# KiCad board Lime_RFE.kicad_pcb (continued)
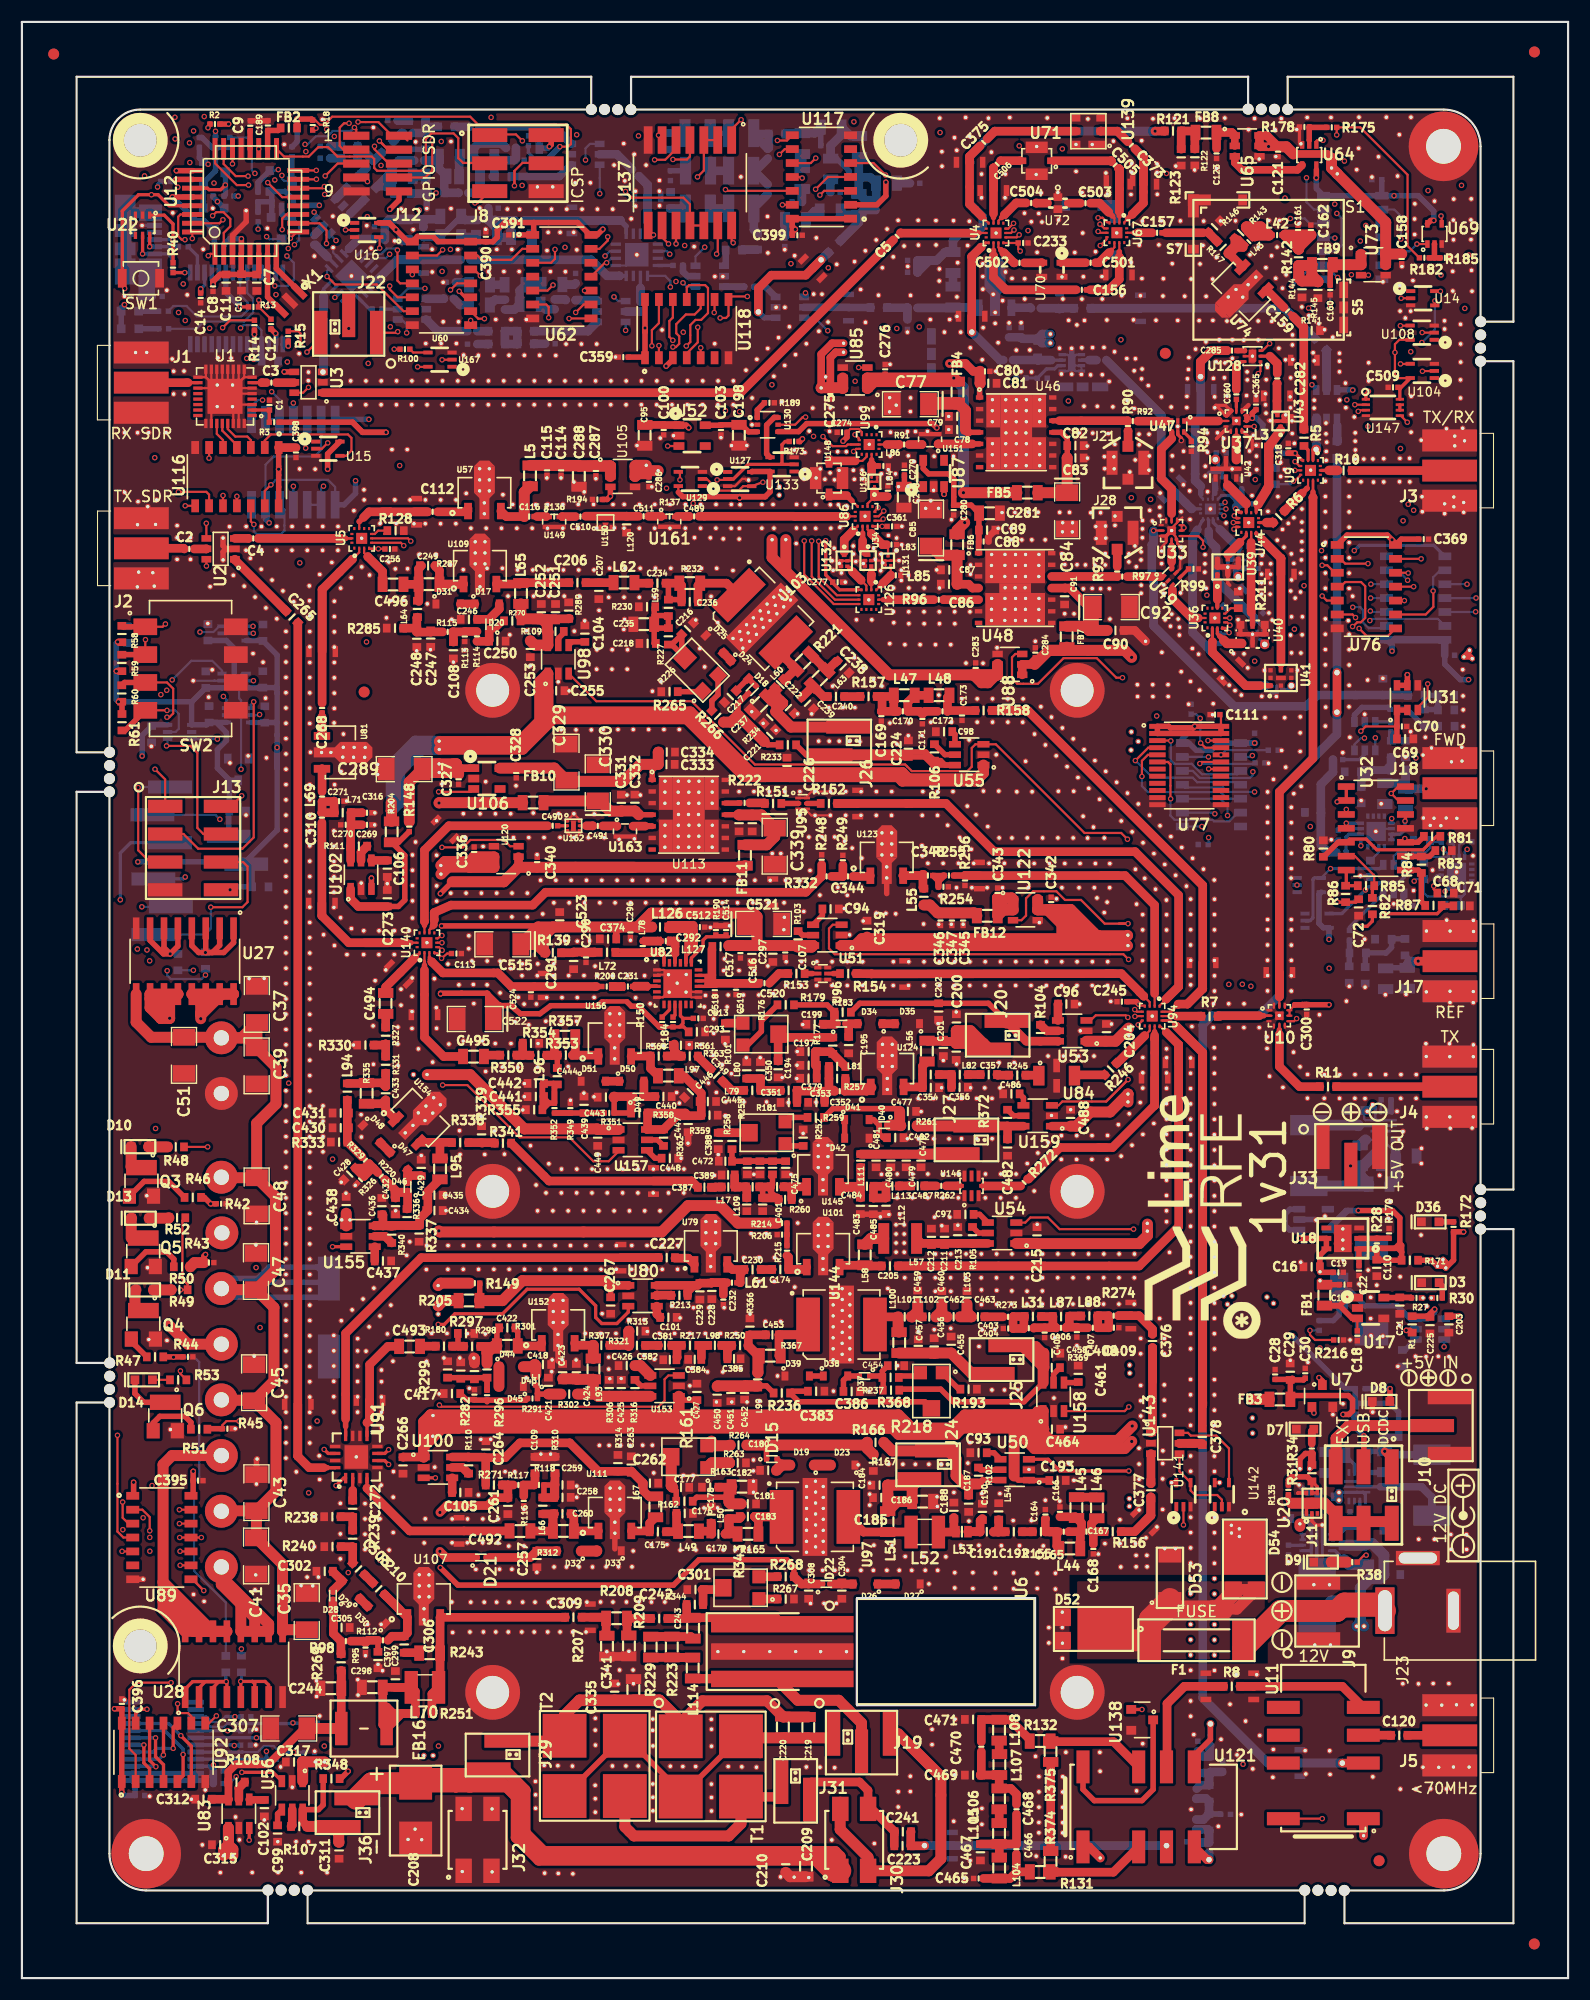
[diagram p0: board, top side]
## Routing (per net, layer and track width the routed paths; a pad name or vN(x,y) marks a point on that pad's centre or on a via; arc(x,y) is an arc through that point) (continued)
Net-(C454-Pad1): length 3.7
  T w0.5: C454.1 78.52,55.39 R237.2 ; D37.1 78.6,54.94 78.6,53.74
Net-(C455-Pad2): length 10.6
  T w0.79: C456.2 83.05,57.09 C457.2
  T w1: 83,57.09 82.94,57.04 L100.1 ; J25.1 86.67,55.17 C455.2 83.25,57.04
Net-(C458-Pad1): length 28.5
  T w0.5: U158.6 91.45,52.59 85,52.59 83.85,53.74 80.05,53.74
  T w0.79: J25.2 92.57,57.71 C458.1 ; R369.1 93.26,55.73
  T w1: 93.2,55.79 91.28,57.71 J25.2 91.7,57.71 93.23,56.18 R369.1 93.26,55.73 C458.1 ; 93.2,55.79 93.15,55.84 ; 93.2,55.79 U158.6
Net-(C459-Pad2): length 2.5
  T w0.79: L101.1 L102.2
  T w1: L101.1 81.24,60.34 81.75,60.84 C459.2
Net-(C460-Pad1): length 2.4
  T w0.79: C462.2 83.41,60.35 L102.1
  T w1: 84.42,60.34 C462.2 ; L102.1 83.95,60.89 C460.1
Net-(C461-Pad1): length 1.3
  T w0.5: C461.1 96.35,54.34 U158.4
Net-(C462-Pad1): length 3.3
  T w0.79: C462.1 C463.2
  T w1: L103.1 86.25,60.74 C463.2 C462.1
Net-(C465-Pad1): length 6.1
  T w0.79: 90.77,9.69 90.17,9.09 L104.2 89.19,9.09 C465.1 ; 90.77,9.69 R131.1 ; 90.77,9.69 90.75,9.71 C466.2
Net-(C466-Pad1): length 7.3
  T w0.79: L105.2 89.19,12.23 L104.1 ; L105.2 89.17,12.23 C467.1 ; L105.2 90.72,12.24 C466.1 90.76,12.22 C468.2
Net-(C468-Pad1): length 8
  T w0.79: C468.1 90.76,16.78 90.24,17.31 L106.1 89.18,18.5 L107.2 87.45,18.53 87.46,18.52 C469.1 C470.2
Net-(C470-Pad1): length 7.3
  T w0.79: R132.2 91.97,21.78 90.17,23.58 L108.1 89.16,23.59 87.62,23.59 ; C470.1 C471.1
Net-(C472-Pad1): length 8.6
  T w0.5: L110.1 C475.1 ; L110.1 C474.1 C473.1 C472.1 R258.2 ; L110.1 65.9,74.54
Net-(C476-Pad1): length 3.7
  T w0.5: 70.25,71.74 69.78,72.21 C476.1
  T w0.79: U145.1 71.6,72.21 C476.1 69.53,72.23 ; R260.1 70.25,71.74
Net-(C477-Pad1): length 9.7
  T w0.5: C477.1 79.85,79.34 74,79.34 R259.1
  T w1: D40.1 80.15,77.84 R261.1 80.1,77.89 C477.1
Net-(C478-Pad2): length 14.4
  T w0.79: L111.1 C478.2 C479.2 C480.2 C481.2 L111.1
  T w1: J27.1 85.37,75.19 C478.2
Net-(C482-Pad1): length 10.9
  T w0.79: R372.1 89.93,77.76 J27.2 ; R372.1 U159.6 ; R372.1 C482.1
  T w1: R261.2 81.73,77.76 J27.2
Net-(C483-Pad1): length 8.4
  T w0.1: C484.2 76.47,72.21 U145.3
  T w0.79: U145.3 74.65,72.26 C484.2 ; C484.2 76.55,72.29 L111.2 ; C484.2 76.53,72.24 76.53,71.2 ; 76.37,72.12 74.64,72.12 74.6,72.08
Net-(C484-Pad1): length 4.4
  T w0.79: 78.81,72.26 L113.2 78.85,72.27 78.85,71.22 78.81,71.19 77.71,71.19 77.71,71.19 C484.1 78.81,72.26
Net-(C486-Pad1): length 1.2
  T w0.5: C486.1 91.4,80.34 U159.4
Net-(C487-Pad2): length 1.1
  T w0.79: L113.1 80.04,72.29 C487.2
Net-(C489-Pad2): length 1.1
  T w0.5: 60.89,133.39 C489.2
  T w0.79: C489.2 60.89,133.39 U161.2
Net-(C490-Pad1): length 0.9
  T w0.3: C490.1 U162.2
Net-(C491-Pad1): length 1.3
  T w0.3: 54.28,105.14 U163.1
  T w0.79: U163.1 54.28,105.14 C491.1
Net-(C491-Pad2): length 1.2
  T w0.3: 52.09,105.15 C491.2 ; U162.5 51.51,105.15
  T w0.79: C491.2 52.09,105.15 51.51,105.15
Net-(C493-Pad2): length 1.4
  T w0.79: C493.2 36.35,57.67 R180.2
Net-(C494-Pad2): length 1.2
  T w0.79: C494.2 R327.2
Net-(C495-Pad2): length 1.5
  T w0.79: C495.2 42.28,84.22 R350.2
Net-(C498-Pad1): length 1.6
  B w0.79: C498.1 39.99,152.68 L36.1
Net-(C501-Pad1): length 4.3
  T w0.1: C501.1 97.07,156.54 U70.1
  T w0.79: C501.1 94.92,156.54 U70.1
Net-(C502-Pad2): length 1.6
  T w0.79: U70.2 93.05,156.53 C502.2
Net-(C503-Pad1): length 1.1
  T w0.79: U72.2 C503.1
Net-(C504-Pad2): length 3.1
  T w0.1: U72.4 93.57,161.99 C504.2
  T w0.5: 92.57,161.97 U72.4
  T w0.79: U72.4 92.57,161.97 C504.2
Net-(C505-Pad1): length 5.6
  T w0.1: 99.41,165.83 99.45,165.78
  T w0.5: 99.38,165.84 C505.1
  T w0.79: 99.41,165.83 99.45,165.78 ; 99.38,165.84 C505.1 99.38,165.84 ; 99.38,165.84 U71.1
Net-(C506-Pad2): length 1.8
  T w0.1: 89.32,165.83 89.31,165.82
  T w0.79: 89.33,165.84 C506.2 91.1,165.85 U71.2
Net-(C508-Pad2): length 11.9
  T w1: v1(121.25,74.12) 121.27,74.14 J33.2
  B w0.2: C508.2 124.01,75.52 U90.6
  B w1: R134.2 122.36,74.09 123.76,75.49 C508.2 ; R134.2 121.27,74.09 v1(121.25,74.12) ; R134.2 122.12,73.23 R12.2 122.73,72.28 L119.1
Net-(C510-Pad1): length 10.3
  T w0.5: 52.76,133.32 52.71,133.37 C510.1 ; 52.76,133.32 53.76,133.32 53.85,133.41 L120.1 56.28,133.41 C511.2 ; 52.76,133.32 53.26,133.32
  T w0.79: C511.2 55.19,133.4 L120.1 51.45,133.41
Net-(C510-Pad2): length 2.4
  T w0.5: C510.2 50.51,133.37 U149.2
  T w0.79: U149.2 49.31,133.37 C510.2
Net-(C511-Pad1): length 1.2
  T w0.5: 58.32,133.4 U161.1
  T w0.79: U161.1 58.32,133.4 C511.1
Net-(C512-Pad1): length 28.2
  T w0.3: 61.14,95.99 61.55,95.58 61.55,94.22 60.59,93.27 U82.20 ; 61.14,95.99 61.14,94.57 60.95,94.38 ; 61.14,95.99 60.82,96.31 59.56,96.31 ; 59.56,96.31 59.37,96.31 L126.2 ; 59.56,96.31 61.02,96.31 ; L126.2 59.22,96.16 61.17,96.16 C512.1 ; L126.2 58.98,96.28 59.01,96.31 61.02,96.31 ; 60.59,93.65 61.42,94.47 C512.1 ; 60.59,93.65 U82.20 ; 60.59,93.65 60.59,94.03 60.77,94.2 ; C512.1 61.02,96.31 ; 60.77,94.2 60.95,94.38 ; 60.77,94.2 60.77,95.58 ; 60.95,94.38 60.95,95.4 60.77,95.58 ; 60.77,95.58 60.95,95.76 60.59,95.41 U82.20
  T w0.79: 61.27,96.08 60.95,95.76 58.99,95.76
Net-(C514-Pad2): length 7.4
  T w0.1: R190.2 C514.2
  T w0.3: 64.5,95.03 62.48,95.03 62.16,94.71 62.16,94.15 61.09,93.09 U82.19 ; 63.29,95.13 64.29,95.13 ; U82.19 61.09,92.93 U82.19
Net-(C518-Pad1): length 31
  T w0.2: 62.46,91.5 62.46,91.51 62.45,91.51 62.45,91.5 62.38,91.42 62.38,90.68 62.49,90.56 62.49,90.45 63.08,90.45 ; 66.49,90.49 67.01,90.49 C520.1 ; 66.49,90.49 67.4,90.49 67.5,90.59 67.5,91.06 67.48,91.08 66.75,91.08 66.7,91.02 ; 66.49,90.49 62.87,90.49 62.5,90.86 ; 63.08,90.45 62.51,91.02 62.51,91.33 ; 63.08,90.45 C518.1
  T w0.3: 62.8,90.86 62.44,90.5 U82.15 ; 62.8,90.86 67.24,90.86 C520.1 67.07,91.02 62.96,91.02 62.8,90.86 ; C518.1 65.13,90.6 C519.1 ; 61.69,91 62.44,91 62.96,91.52 62.94,91.5 U82.17
  T w0.5: C519.1 67.16,90.64 C520.1
  T w0.79: 63.23,90.74 62.96,91.01 62.96,93.87
Net-(CON1-Pad2): length 3.7
  T w0.3: U22.6 v1(11.66,158)
  B w0.3: v1(11.66,158) 11.67,157.99 CON1.2 R39.2
Net-(CON1-Pad3): length 7.7
  T w0.3: U22.1 12.99,160.87 13.79,160.07 v1(13.79,158.64) R40.2
  B w0.3: CON1.3 v1(13.79,158.64)
Net-(D1-Pad2): length 1.8
  B w0.5: R16.2 D1.2
Net-(D2-Pad2): length 1.8
  B w0.5: D2.2 10.65,152.12 R17.2
Net-(D3-Pad1): length 1.5
  T w0.5: D3.1 129.61,63.18 R30.1
Net-(D7-Pad1): length 1.4
  T w0.7: R34.1 117.71,49.9 D7.1
Net-(D8-Pad1): length 3.4
  T w0.5: v1(124.85,53.79) 124.85,52.63 D8.1
  B w0.5: R35.1 v1(124.85,53.79)
Net-(D9-Pad1): length 1.5
  T w1: D9.1 R38.1
Net-(D10-Pad1): length 1.7
  T w1: D10.1 11.59,75.85 R48.1
Net-(D10-Pad2): length 1.8
  T w1: 9.95,74.04 9.97,74.06 D10.2
Net-(D11-Pad1): length 1.6
  T w1: R49.1 13.61,62.8 D11.1
Net-(D11-Pad2): length 1.8
  T w1: D11.2 10.32,62.71 10.32,61.01
Net-(D13-Pad1): length 1.8
  T w1: R52.1 13.37,69.34 D13.1
Net-(D13-Pad2): length 1.8
  T w1: D13.2 9.97,69.31 9.97,67.53
Net-(D14-Pad1): length 1.6
  T w0.2: D14.1 R53.1
Net-(D14-Pad2): length 4.4
  T w0.5: Q6.3 11.11,52.54 10.31,53.35 D14.2
Net-(D17-Pad1): length 1.3
  T w0.79: D31.2 D17.1
Net-(D19-Pad1): length 1.5
  T w1: D19.1 D23.2
Net-(D24-Pad1): length 1.1
  T w0.79: D25.2 64.71,120.23 D24.1
Net-(D26-Pad1): length 1.7
  T w0.79: D27.2 79.74,35.96 D26.1
Net-(D29-Pad1): length 1.1
  T w0.79: D30.2 30.83,34.65 D29.1
Net-(D32-Pad1): length 1.4
  T w1: D33.2 52.44,38.97 D32.1
Net-(D34-Pad1): length 1.2
  T w0.79: D34.1 D35.2
Net-(D36-Pad1): length 1.3
  T w0.5: R172.2 130.64,69.01 D36.1
Net-(D38-Pad1): length 1.3
  T w0.5: D38.1 D39.2
Net-(D41-Pad1): length 1.7
  T w0.5: D42.2 D41.1
Net-(D44-Pad1): length 1.8
  T w1: D44.1 D45.2
Net-(D47-Pad1): length 1.3
  T w0.79: D47.1 D48.2
Net-(D50-Pad1): length 1.3
  T w0.79: D50.1 D51.2
Net-(F1-Pad2): length 23.6
  T w1: J9.2 124.36,33.5 J23.1 124.36,33.5 120.22,33.5
  T w2: 111.46,30.09 114.86,33.5 J9.2 120,33.5 120.68,34.18 123.73,34.18 J23.1
Net-(FB8-Pad1): length 4.6
  T w0.79: R123.2 R121.2 106.97,168.56 FB8.1 107.04,168.36 R122.2
Net-(FB9-Pad1): length 6.9
  T w1: R145.2 118.21,154.87 R144.2 116.51,155.18 R142.2 117.65,156.28 FB9.1 ; R145.2 117.72,155.35 ; R145.2 117.72,155.35 ; 117.66,156.29 FB9.1 ; FB9.1 117.72,155.35
Net-(IC1-Pad9): length 16.8
  SIG1 w0.2: v1(125,105.81) 125,105.32 125.31,105.02 126.46,105.02 127.05,104.42 v1(127.05,100.1)
  B w0.2: 130.89,98.7 128.26,98.7 127.93,99.04 R78.1 127.24,100.29 v1(127.05,100.1) ; 130.89,98.7 131.2,98.7 131.32,98.58 R79.2 131.32,98.6 131.66,98.94 ; 130.89,98.7 131.43,98.7 131.66,98.94 ; 131.66,98.94 IC2.9 ; v1(125,105.81) 124.98,105.79 IC1.9
Net-(IC1-Pad11): length 3.3
  T w0.3: v1(126.22,105.58) 126.26,105.62 U32.12
  B w0.3: v1(126.22,105.58) 126.22,104.8 125.8,104.39 IC1.11 IC1.12
Net-(IC2-Pad11): length 17.3
  T w0.2: v1(129.88,99.18) 129.88,99.18 129.89,99.2 ; v1(120.86,106.64) 120.86,106.64 U32.3
  SIG1 w0.2: v1(130.35,104.38) 130.36,104.37 130.36,99.65 v1(129.88,99.18)
  SIG2 w0.2: v1(120.86,106.64) 122.81,106.64 124.75,104.7 130.03,104.7 v1(130.35,104.38)
  B w0.2: v1(129.88,99.18) 129.88,99.23 IC2.12 IC2.11
Net-(J1-Pad1): length 5.2
  T w0.2: 15.17,145.59 15.17,145.59
  T w0.3: 15.04,145.59 U1.18
  T w0.79: 11.02,145.59 15.17,145.59
Net-(J3-Pad1): length 8.9
  T w0.79: J3.1 130.29,137.57 R10.1
Net-(J4-Pad1): length 10.4
  T w0.79: J4.1 130.29,81.35 R11.1
Net-(J6-Pad2): length 69.3
  T w0.2: v1(19.22,165.56) 19.22,165.56 U12.22
  SIG1 w0.2: v1(18.06,105.75) 18.52,106.2 18.52,115.68 19.06,116.22 19.06,127.2 18.74,127.52 18.74,128.73 19.69,129.67 19.69,134.31 19.06,134.93 19.06,136.32 19.9,137.16 19.9,148.3 19.22,148.98 v1(19.22,165.56)
  B w0.2: v1(18.06,105.75) 17.65,106.15 J6.2
Net-(J7-Pad2): length 81.8
  SIG1 w0.2: v1(11.19,164.46) 9.84,163.11 9.84,101.12 10.94,100.02 v1(10.94,97.76)
  SIG2 w0.2: v1(21.61,166.91) 21.32,166.63 13.97,166.63 11.8,164.46 v1(11.19,164.46)
  B w0.2: v1(10.94,97.76) 10.95,97.76 J7.2
Net-(J10-Pad2): length 11.8
  T w1: J10.2 121.08,50.42 119.93,49.26 119.93,46.66
Net-(J11-Pad2): length 12.2
  T w0.3: 117.72,43.34 117.22,42.84 117.22,42.41
  T w0.5: 115.87,43.33 115.57,43.63 R135.2
  T w1: U20.1 115.87,43.33 ; 125.01,41.66 119.93,41.66 119.93,42.29 118.88,43.34 117.72,43.34
Net-(J17-Pad1): length 7.6
  T w0.79: 127.41,92.8 v1(127.42,92.8) 127.42,92.8 J17.1
  B w0.5: R67.2 126.41,93.13 R62.1 124.49,92.19 R64.1
  B w0.79: R62.1 126.41,92.51 126.7,92.8 v1(127.42,92.8)
Net-(J18-Pad1): length 7.9
  T w0.79: v1(128.15,108.53) 128.2,108.58 J18.1
  B w0.79: v1(128.15,108.53) 128.15,108.53 R63.1 ; R63.1 125.75,109.05 R66.1 ; R63.1 126.27,110.07 R69.2
Net-(J19-Pad2): length 30.3
  T w0.79: L114.1 69.34,27.34 U6.3 61.78,27.3
  T w1: J19.2 76.62,23.27 74.54,25.35 70.8,25.35 69.39,26.76 U6.3 72.06,27.3
Net-(J19-Pad3): length 32.8
  T w1: 74.67,16.05 74.67,13.56 77.21,11.02 77.21,10.4 77.21,10.86 ; J30.2 82.76,9.79 83.86,10.89 83.86,18.4 ; 83.86,18.4 80.53,21.73 ; 83.86,18.4 79.97,22.29 J19.3
Net-(J21-Pad1): length 1.4
  T w0.79: R90.1 100.94,141.18 100.94,139.75
Net-(J28-Pad1): length 1.6
  T w0.79: J28.1 99.95,130.38 R93.1
Net-(J31-Pad1): length 29.8
  T w0.5: T2.4 55.02,15.12
  T w0.79: 66.13,17.08 T1.4 ; T1.4 65.68,16.5 69.22,16.5 ; T1.4 69.25,16.57 69.34,16.66 J31.1 ; 55.11,17.2 55.2,17.2
  T w1: 69.16,16.57 69.22,16.5 ; T1.4 65.62,14.09 64.5,12.97 55.85,12.97 55.02,13.8 T2.4 55.02,14.89 ; 66.21,17.21 66.37,17.05 ; 55.08,16.59 55.25,16.59
Net-(L1-Pad2): length 11.9
  B w0.3: 127.73,44.83 128.67,43.89 L1.2 ; U19.2 123.97,44.83
  B w0.7: L1.2 128.67,43.89 127.73,44.83 123.97,44.83
Net-(L2-Pad2): length 2.4
  B w0.3: L2.2 118.18,37.42 U21.2
Net-(L3-Pad1): length 12.1
  T w0.3: 112.79,134.49 112.63,134.32 112.63,133.78
  T w0.4: 113.78,139.77 113.78,136.18 ; U43.1 114.86,141.24
  T w0.86: 114.86,141.24 113.78,139.77 113.78,136.18 113.56,135.75 112.79,134.49
Net-(L6-Pad2): length 1.2
  B w0.79: 85.01,154.35 85.02,154.34 ; L6.2 L7.1
Net-(L8-Pad2): length 1.6
  B w0.79: L8.2 72.35,161.25 L9.1
Net-(L15-Pad2): length 1.3
  B w0.79: L15.2 71.22,165.18 L16.1
Net-(L18-Pad2): length 2
  B w0.5: L19.1 64.49,168.36 L18.2 64.76,168.36
Net-(L21-Pad2): length 1.6
  B w0.79: L22.1 L21.2
Net-(L24-Pad2): length 1.7
  B w0.79: L24.2 64.5,161.48 L25.1
Net-(L33-Pad2): length 1.3
  B w0.79: L34.1 42.73,154.53 L33.2
Net-(L38-Pad1): length 1.4
  B w0.79: L38.1 41.38,158.89 L39.2
Net-(L42-Pad2): length 10.3
  T w0.5: R143.2 111.75,159.32 L43.1 112.56,159.06 L42.2
  T w0.79: 111.75,159.74 112.5,158.99 113.73,158.99 113.79,159.06
  T w1: 112.56,159.06 112.5,158.99 111.75,159.74 R143.2 113.04,159.81 113.79,159.06 112.56,159.06
Net-(L43-Pad2): length 7.2
  T w0.5: L43.2 111.05,158.75 R143.1
  T w0.79: U74.3 110.15,157.38 R147.2 110.69,157.95 R143.1 110.69,158.68 111.44,157.93 110.67,157.93
  T w1: R147.2 110.67,157.93
Net-(L45-Pad1): length 1.9
  T w0.79: L46.2 98.06,43.89 L45.1
Net-(L51-Pad2): length 8.2
  T w0.79: 76.8,40.71 U97.2 76.8,40.71 ; 76.8,40.71 L51.2 81.14,40.71 L52.2
Net-(L57-Pad2): length 1.9
  T w1: L58.1 77.47,67.49 L57.2
Net-(L60-Pad2): length 4.3
  T w0.79: U103.2 69.7,120.39 R221.2 L60.2
Net-(L69-Pad2): length 2.1
  T w0.79: U81.3 27.39,110.35 L69.2
Net-(L72-Pad2): length 19.2
  T w0.3: 58.38,93.82 53.94,93.82 55.42,93.59 54.05,93.33 58.59,93.33 ; 58.38,93.82 58.59,93.6 ; 58.38,93.82 56.74,93.82 L78.1 ; 58.38,93.82 58.59,93.6 ; 58.59,93.6 58.59,93.33 ; 58.59,93.6 U82.24 58.59,93.33 ; 58.59,93.33 58.6,93.33 58.59,93.33
  T w0.5: 58.37,93.51 58.25,93.63 55.42,93.59
Net-(L74-Pad1): length 1.9
  B w0.79: L75.2 39.9,166.18 L74.1
Net-(L76-Pad1): length 1.2
  B w0.79: L77.2 L76.1
Net-(L83-Pad2): length 3.8
  T w0.2: 77.52,131.84 77.17,132.19 U86.3 ; L83.2 79.04,130.68 U131.1
  T w0.79: 77.52,131.84 77.52,131.81 78.53,130.81 L83.2
Net-(L84-Pad2): length 5
  T w0.2: 77.8,135.2 77.8,135.17 77.17,134.55 U86.9 ; 77.8,135.2 U136.1 ; 77.8,135.2 78.97,135.2
  T w0.79: 77.8,135.69 77.8,135.17 77.82,135.2 78.97,135.2
Net-(L85-Pad2): length 3.9
  T w0.2: L85.2 79.29,128.02 U131.4 ; 78.3,127.01 77.97,126.68 U126.1
  T w0.5: L85.2 78.3,127.01
  T w0.79: 78.58,127.29 78.58,127.29 79.3,128.01 L85.2
Net-(L86-Pad2): length 3.9
  T w0.2: U136.4 77.54,136.95 U99.10
  T w0.5: L86.2 77.64,137.99 77.54,138.09 77.54,138.55
  T w0.79: 77.54,138.11 77.56,138.11 77.54,138.09 77.54,137.46
Net-(L93-Pad2): length 3
  T w0.79: R307.2 50.62,57.75 U152.3
  T w1: R307.2 52.15,57.73 L93.2
Net-(L95-Pad2): length 4.5
  T w0.79: 38.47,74.82 38.5,74.79 ; 38.15,76.27 39.22,76.27 ; 38.15,76.27 L95.2 ; 38.15,76.27 U154.3
Net-(L97-Pad2): length 3.9
  T w0.79: 57.34,84.16 R360.2 ; R360.2 55.63,84.14 U156.3 ; R360.2 57.36,83.02 L97.2
Net-(L100-Pad2): length 4.4
  T w0.79: 78.32,58.7 77.79,58.7 ; U144.2 78.54,60.34 L101.2
  T w1: L100.2 79.96,59.03 L101.2
Net-(L105-Pad1): length 1.3
  T w0.79: L106.2 L105.1
Net-(L107-Pad1): length 1.2
  T w0.79: L107.1 89.18,20.47 L108.2
Net-(L114-Pad2): length 6.7
  T w0.79: R229.2 57.4,29.26 60.78,29.26 R223.2 59.33,29.25 L114.2
Net-(L115-Pad1): length 4.6
  B w0.79: 45.21,149.12 L117.2 45.21,149.13 L115.1 L118.2 44.07,150.28 L116.2 45.21,149.12
Net-(L119-Pad2): length 11.4
  B w0.3: L119.2 117.48,77.79 U90.2
  B w1: 121.97,77.79 121.93,77.83 L119.2
Net-(L121-Pad2): length 16.8
  B w0.2: 111.92,124.64 112.61,123.94 L121.2
  B w0.3: 108.3,132.05 108.3,133.04 108.26,133.08 ; 112.41,124.16 113.27,123.3 113.27,123.14 ; L121.2 113.27,123.29 U164.4
  B w0.79: 108.3,132.05 108.3,131.22 108.96,130.55 108.96,127.61 112.41,124.16 110.66,125.91 P64.2
Net-(L122-Pad2): length 4.2
  B w0.3: 109.31,132.2 109.31,132.23 108.71,132.82 108.71,133.08 ; 110.99,130.51 111.05,130.46 U165.4
  B w0.79: 110.99,130.51 109.31,132.2
Net-(L124-Pad2): length 5.2
  B w0.2: 108.86,136.46 108.86,135.49 108.68,135.31 U35.3
  B w0.3: 108.99,135.82 108.86,135.95 U166.4
  B w0.5: L124.2 108.86,136.01 108.86,136.71 108.86,135.49 ; 108.86,136.46 108.86,135.95
Net-(P1-Pad3): length 3
  B w0.5: R235.1 119.68,60 120.21,60.53 P1.3
Net-(P43-Pad2): length 81.3
  T w0.2: 114.75,95.47 114.75,88.75 ; U10.11 U10.11
  T w0.25: 117.82,136.63 117.82,135.61
  T w0.5: 117.82,111.31 117.82,135.61
  T w0.79: 117.82,135.11 117.81,135.11 117.82,135.11 117.82,111.31 114.75,108.24 114.75,89.55 114.75,91.76 P43.2
Net-(P59-Pad2): length 16.5
  T w0.2: 111.67,117.94 111.66,117.95
  T w0.3: 108.64,123.16 108.64,120.97
  T w0.5: 108.64,120.97 111.66,117.95 ; 112.99,117.94 113.94,117.94
  T w0.79: 111.66,117.95 108.63,120.98 108.63,121.95 108.64,121.95 ; 108.64,120.97 110.37,119.24 P59.2 ; 111.67,117.94 112.99,117.94
Net-(P74-Pad2): length 17.4
  T w0.4: 114.89,119.35 114.89,119.98 ; 114.89,129.56 113.15,131.31 112.63,131.83
  T w0.79: 114.89,129.56 113.15,131.31 ; 114.89,129.56 114.89,119.98 ; 114.89,129.56 114.89,129.57 P74.2
Net-(Q1-PadG): length 9.1
  B w0.5: R24.2 17.35,167.04 16.43,167.96 R22.2 ; R24.2 17.69,167.06 R23.2 ; R24.2 17.67,164.93 Q2.G 16.57,162.64 R21.2 16.55,162.62 Q1.G
Net-(Q3-Pad1): length 6.2
  T w0.5: Q3.1 11.15,72.7 13.38,72.7 R46.1
Net-(Q4-Pad1): length 2.2
  T w0.5: 11.42,56.71 R47.1 10.32,57.77 10.32,58.41
Net-(Q5-Pad1): length 5.4
  T w0.5: R50.1 13.86,65.61 13.2,66.27 11.31,66.27 Q5.1
Net-(Q6-Pad1): length 5.3
  T w0.5: R51.1 15.42,50.72 14.87,51.26 12.58,51.26 11.98,50.66 Q6.1
Net-(Q7-PadG): length 7.7
  B w0.5: 22.8,162.2 22.8,162.88 Q8.G 24.04,163.05 24.77,162.32 R192.2 ; 22.8,162.2 22.8,162.1 R188.2 R191.2 ; 22.8,162.2 R187.2 22.8,160.73 Q7.G
Net-(R1-Pad1): length 1.5
  T w0.5: v1(126.33,59.11) 126.66,59.11 R1.1
  B w0.5: v1(126.33,59.11) 127.08,59.11 U110.5
Net-(R4-Pad2): length 2.1
  T w0.5: v1(14.06,164.13) 14.07,164.14 U12.26
  B w0.5: v1(14.06,164.13) 13.88,163.95 R4.2
Net-(R5-Pad1): length 1.4
  T w0.3: 117.37,138.54 117.37,139.44 R5.1
Net-(R6-Pad1): length 6.6
  T w0.2: R6.1 117.37,136.03 117.37,136.63
  T w0.5: 116.83,135.51 117.26,135.94 117.28,135.94
  T w0.79: 116.83,135.51 115.22,133.9 R6.1
  T w0.86: R6.1 115.22,133.9
Net-(R7-Pad1): length 12.4
  T w0.2: 109.11,87.66 109.26,87.82 110.01,87.82 ; 110.01,87.82 109.19,87.82 ; 110.01,87.82 110.85,87.82 ; 109.19,87.82 R7.1 ; 109.19,87.82 R7.1 ; 109.19,87.82 U10.2 ; 109.19,87.82 R7.1 ; 113.82,87.82 113.33,87.82
  T w0.5: 113.33,87.82 112.92,87.82
  T w0.79: R7.1 109.19,87.82 112.92,87.82
Net-(R9-Pad1): length 2.7
  T w0.2: v1(116.03,136.61) 116.13,136.61 116.64,137.11 116.64,137.19
  B w0.2: 114.42,136.32 115.77,136.32 116.07,136.62
Net-(R10-Pad2): length 1.5
  T w0.3: 118.55,137.59 119.28,137.59
  T w0.86: 119.28,137.59 120.07,137.59
Net-(R11-Pad2): length 13.9
  T w0.2: 116.59,81.35 114.75,83.19 114.75,86.13 ; U10.5 U10.5 ; 114.75,86.89 114.75,86.54